# KiCad board PC110.kicad_pcb (continued)
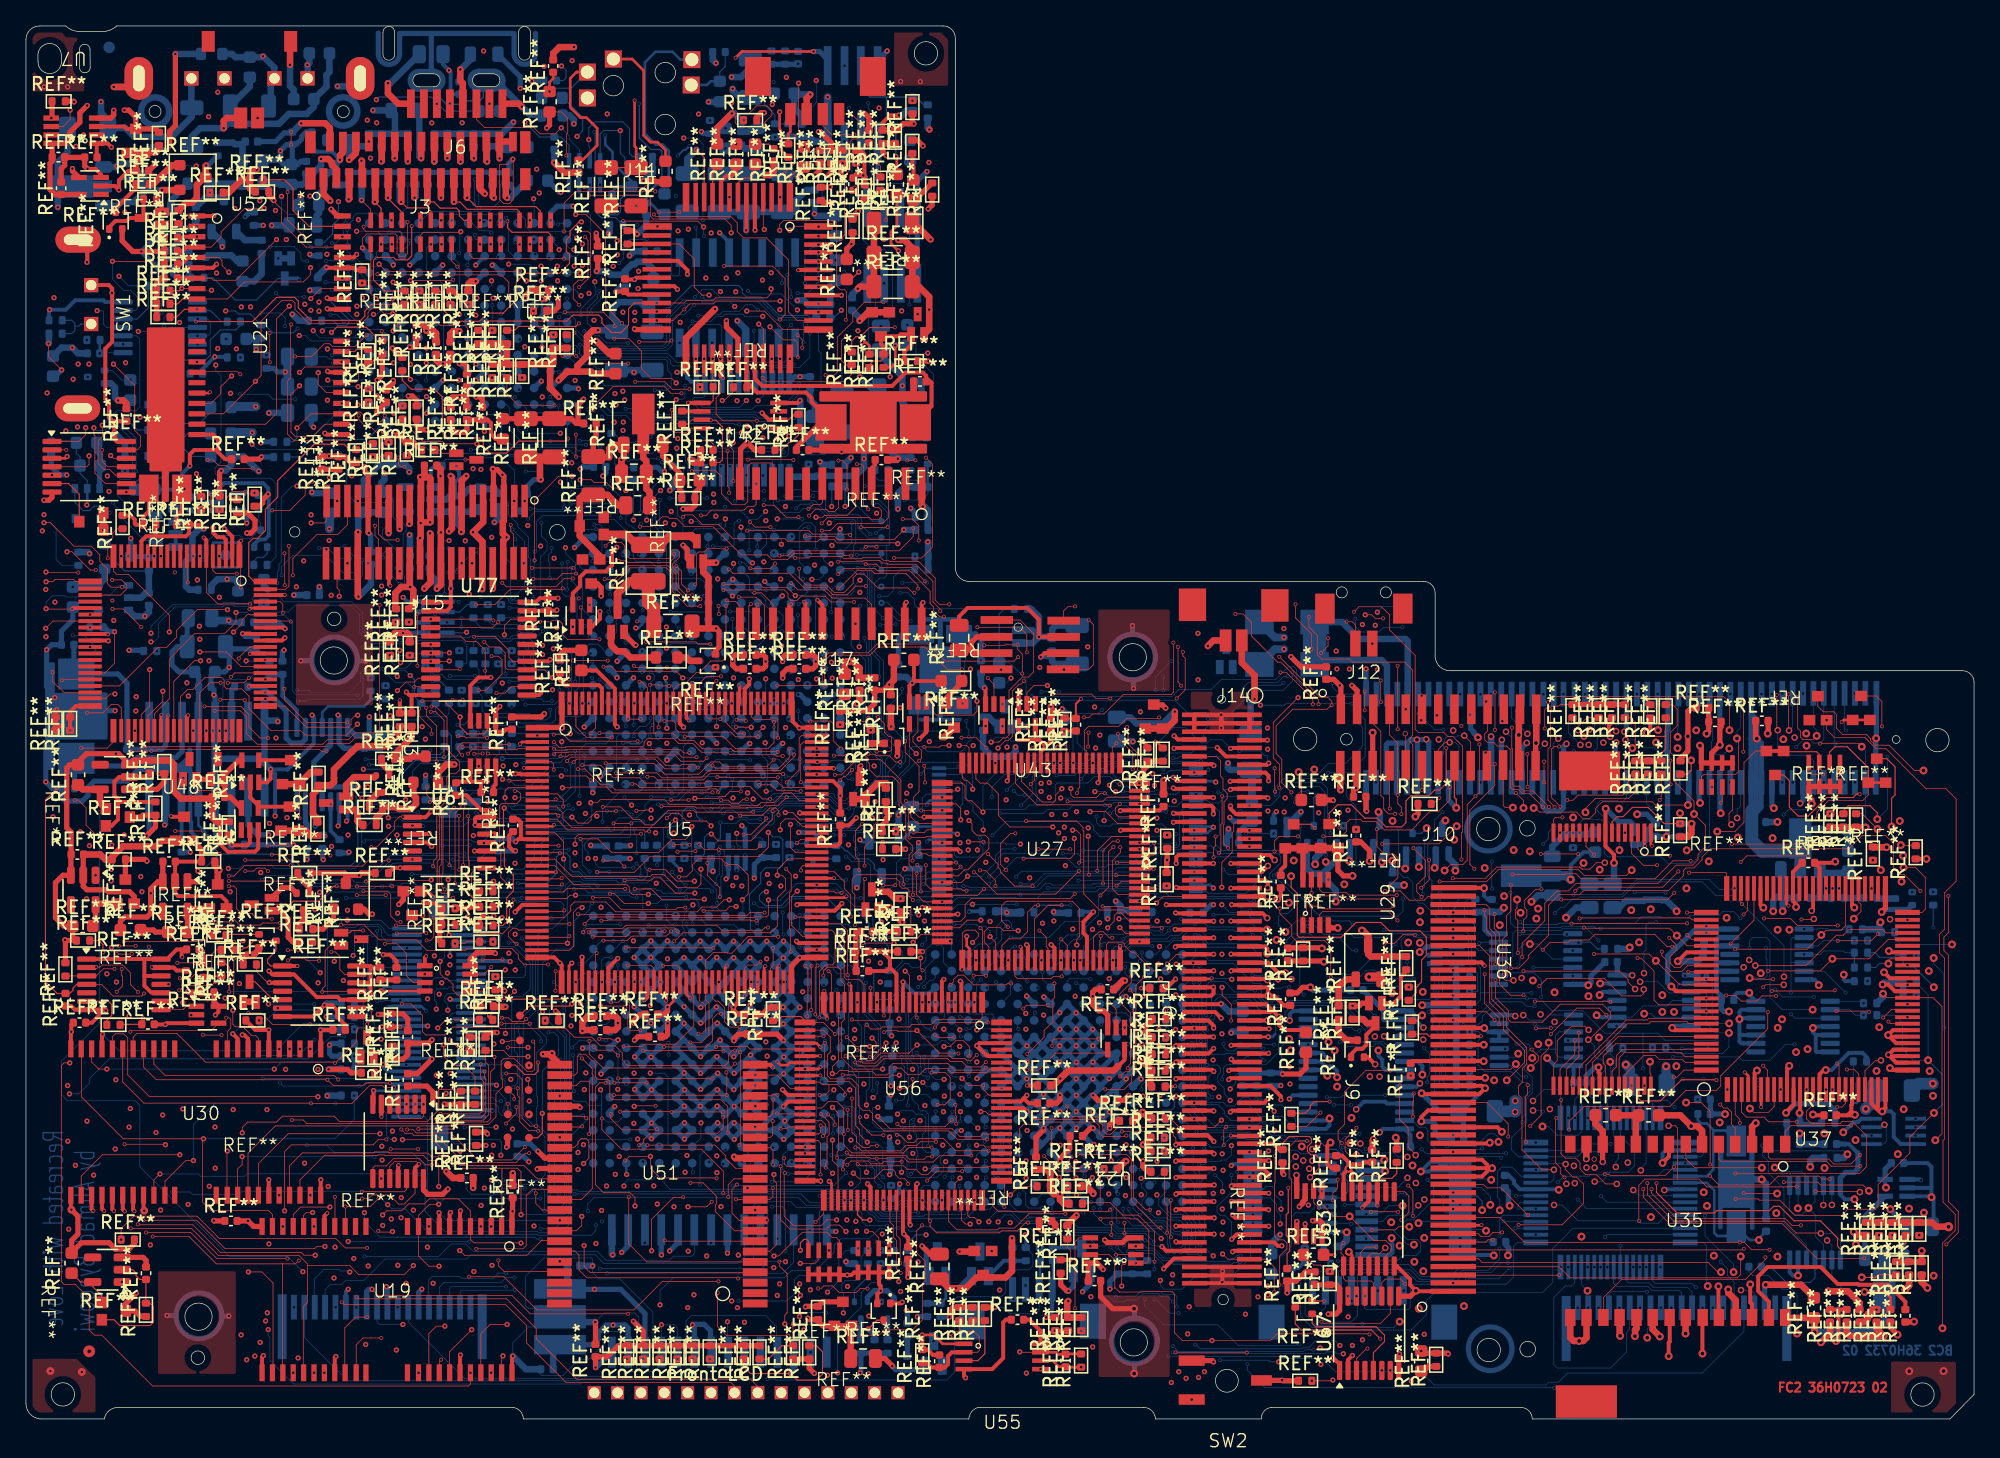
[diagram p0: board, top side]
## Routing (per net, layer and track width the routed paths; a pad name or vN(x,y) marks a point on that pad's centre or on a via; arc(x,y) is an arc through that point) (continued)
  IC2 w0.7: v3(148.09,14.81) 148.06,14.84 148.06,17.38 147.06,18.38 146.05,18.38 145.43,19 145.43,46.75 137.93,54.25 108.37,54.25 106.09,56.53 v1(102.13,56.53)
  IC2 w0.8: v1(28.78,68.59) 28.78,71.75 28.45,72.08 28.4,72.08 v1(27.61,72.87)
  IC2 w0.9: v1(92.06,31.99) v1(92.06,30.89) 93.31,30.89 94.27,29.93 94.27,24.57 95.13,23.71 v1(96.14,23.71)
  IC2 w1: v1(27.61,72.87) 27.61,74.12 v1(23.22,78.51)
  IC3 w0.05: v1(55.34,7.45) 55.34,7.01 54.77,6.44 33.83,6.44 33.59,6.68 28.59,6.68 28.55,6.72 28.51,6.72 28.25,6.98 24.17,6.98 17.74,13.41 v1(9.58,13.41) ; v1(1.53,63.92) 9.91,63.92 11.9,65.91 19.05,65.91 v1(20.83,64.13) ; v1(63.73,18.94) 63.19,19.48 55.82,19.48 55.81,19.49 54.96,18.64 48.98,18.64 48.31,19.31 44.9,19.31 44.28,18.69 38.64,18.69 37.89,19.44 36.33,19.44 36.3,19.47 36.25,19.47 35.87,19.85 v1(35.87,20.33) ; v3(128.26,50.75) 125.05,47.54 111.95,47.54 110.2,45.79 v3(110.2,45.68) ; v5(117.74,30.6) 102.63,30.6 101.18,32.05 95.98,32.05 95.71,31.78 94.14,31.78 93.47,32.45 91.62,32.45 88.61,29.44 85.23,29.44 83.94,28.15 72.79,28.15 72.69,28.05 71.52,28.05 71.34,28.23 64.6,28.23 63.98,28.85 63.2,28.85 62.18,29.87 v1(62.18,30.45) ; v1(61.21,18.33) 61.21,17.86 61.13,17.78 49.09,17.78 48.94,17.63 36.08,17.63 35.18,18.53 24.74,18.53 23.78,17.57 17.18,17.57 12.68,22.07 v1(10.02,22.07) ; v1(14.56,22.5) 16.17,22.5 16.38,22.71 31.68,22.71 32.83,21.56 36.41,21.56 v1(37.02,20.95) 37.71,21.64 47.04,21.64 v1(47.11,21.57) ; v1(50.39,84.51) 48.22,82.34 43.63,82.34 42.37,83.6 37.37,83.6 35.22,85.75 34.51,85.75 33.3,84.54 22.27,84.54 21.02,85.79 21.02,86.16 20.72,86.46 19.49,86.46 17.6,84.57 11.9,84.57 v1(11.83,84.5) ; 98.13,18.42 98.37,18.65 98.37,18.82 98.38,18.82 v5(98.84,19.28) ; 98.13,18.42 98.08,18.37 97.63,18.37 97.33,18.66 97.33,19.13 96.71,19.75 96.69,19.75 96.69,20.71 96.24,21.16 95.25,21.16 94.55,21.86 93.68,21.86 93.46,22.08 91.1,22.08 89.38,20.36 84.08,20.36 83.93,20.51 83.49,20.51 83.37,20.39 78.2,20.39 77.3,19.49 74.15,19.49 73.99,19.33 71.34,19.33 v1(70.84,19.83) ; 98.13,18.42 98.15,18.44 ; v1(82.02,9.42) 83.51,9.42 83.69,9.24 86.03,9.24 88.15,7.12 89.73,7.12 90.27,6.58 99.39,6.58 99.69,6.88 99.76,6.88 99.92,7.04 137.44,7.04 137.52,7.12 137.95,7.12 137.97,7.1 138.01,7.1 138.12,6.99 v3(147.62,6.99) ; v1(13.2,64.66) 13.17,64.63 13.17,62.91 12.64,62.38 12.64,60.12 13.16,59.6 17.38,59.6 19.31,61.53 20.93,61.53 22.2,60.26 25.1,60.26 25.54,59.82 29.57,59.82 29.84,59.55 34.28,59.55 36.7,57.13 v1(39.68,57.13) 40.11,56.7 40.11,56 40.36,55.75 65.41,55.75 65.59,55.57 67.01,55.57 67.22,55.36 71.92,55.36 72.62,54.66 75.43,54.66 76.22,55.45 80.07,55.45 82.18,53.34 84.07,53.34 84.31,53.1 91.26,53.1 91.82,52.54 93.85,52.54 96.9,55.59 v1(97.98,55.59) 98.45,55.59 100.55,53.49 102.43,53.49 106.46,49.46 110.99,49.46 113.26,51.73 113.26,52.56 113.33,52.63 113.33,53.22 113.76,53.65 118.25,53.65 119.28,52.62 119.28,51.76 119.68,51.36 120.48,51.36 120.81,51.69 120.81,52.64 121.81,53.64 123.12,53.64 125.66,51.1 127.67,51.1 127.92,51.35 128.65,51.35 129.62,50.38 129.62,45.05 128.84,44.27 128.84,43.35 126.18,40.69 126.18,39.34 125.32,38.48 122.12,38.48 120.24,36.6 v3(115.84,36.6) ; v1(78.38,31.12) 77.51,31.99 77.06,31.99 76.69,32.36 60.07,32.36 60,32.43 45.4,32.43 44.51,33.32 37.99,33.32 v1(37.63,32.96) ; v1(16.56,38.73) 17.97,40.14 27.45,40.14 27.65,40.34 28.73,40.34 29.22,39.85 29.22,39.8 29.28,39.74 29.28,38.57 30.05,37.8 36.23,37.8 39.83,34.2 61.58,34.2 62.96,32.82 76.2,32.82 76.61,33.23 80.7,33.23 80.82,33.11 v1(80.82,32.57) ; v3(137.3,16.25) 135.57,17.98 133.24,17.98 132.66,18.56 122.06,18.56 120.73,17.24 117.89,17.24 114.77,20.35 107.06,20.35 v5(107.04,20.33) ; v3(121.25,33.56) 120.86,33.95 117.02,33.95 116.15,33.08 114.02,33.08 112.84,34.26 104.47,34.26 103.93,34.8 103.04,34.8 102.82,34.58 102.43,34.58 102.41,34.56 98.9,34.56 98.54,34.92 98.49,34.92 98.03,35.38 89.62,35.38 88.85,34.61 71.24,34.61 69.39,36.46 69.39,37.34 66.83,39.9 66.29,39.9 63.94,37.55 46.08,37.55 45.87,37.76 38.65,37.76 38.38,38.03 30.19,38.03 29.71,38.51 29.71,39.72 25.23,44.2 24.37,44.2 24.06,43.89 24.02,43.89 23.83,43.7 19.39,43.7 18.67,42.98 18.02,42.98 15.73,40.69 v1(15.73,40.63) ; v3(117.29,29) 118.21,29 118.54,28.67 126.43,28.67 129.65,31.89 137.23,31.89 137.35,32.01 146.01,32.01 146.95,32.95 v3(146.95,33.27) ; v1(26.32,48.71) 36.44,48.71 36.51,48.64 v1(41.32,48.64) ; v1(18.71,13.49) 18.71,12.88 20.64,10.95 21.84,10.95 22.76,11.87 25.18,11.87 25.84,11.21 32.05,11.21 32.57,10.69 37.42,10.69 37.79,11.06 45.62,11.06 48.71,14.15 60.28,14.15 61.04,13.39 67.23,13.39 67.69,13.85 67.74,13.85 68.92,15.03 72.72,15.03 v1(72.73,15.02) ; v5(107.71,16.91) 107.41,17.21 107.41,17.24 107.29,17.36 97.38,17.36 96.94,16.92 95.12,16.92 93.47,18.57 90.72,18.57 89.96,17.81 86.74,17.81 86.69,17.76 85.38,17.76 85.32,17.82 75.69,17.82 74.85,16.98 54.61,16.98 53.99,16.36 v1(53.53,16.36) ; v3(106.03,16.43) 105.94,16.43 105.4,16.97 97.77,16.97 97.23,16.43 97.23,16.2 96.76,15.73 94.35,15.73 93.79,16.29 92.82,16.29 92.23,15.7 91.84,15.7 91.55,15.99 90.48,15.99 89.8,16.67 87.59,16.67 87.46,16.54 55.13,16.54 54.12,15.53 46.58,15.53 44.01,12.96 42.13,12.96 39.73,15.36 29.79,15.36 28.87,14.44 v1(28.23,14.44) ; v1(42.04,73.68) 42.05,73.69 45.12,73.69 45.29,73.52 49.34,73.52 50.11,74.29 50.11,74.79 v1(50.13,74.81) ; v5(120.43,53.13) 120.43,54.23 118.79,55.87 107.96,55.87 106.65,57.18 106.65,58.72 104.99,60.38 102.45,60.38 100.06,62.77 70.02,62.77 69.71,63.08 69.71,64.95 68.9,65.76 68.19,65.76 65,68.95 65,77.6 60.93,81.67 36.48,81.67 35.07,83.08 8.46,83.08 7.64,82.26 7.64,81.43 v1(7.67,81.4) ; v1(14.62,81.22) 14.58,81.18 14.58,75.33 16.24,73.67 21.52,73.67 21.42,73.67 24.55,70.54 24.55,68.69 26.13,67.11 33.28,67.11 v1(33.84,67.67) ; v1(56.99,69.23) 56.99,68.84 56.49,68.34 49.3,68.34 48.45,69.19 48.45,70.21 47.63,71.03 44.04,71.03 v1(42.69,72.38) ; v1(70.67,23.68) 71.25,24.26 71.25,24.32 92.2,24.32 92.39,24.13 92.44,24.13 92.45,24.14 93.39,24.14 94.57,22.96 96.6,22.96 97.19,22.37 103.19,22.37 103.54,22.72 105.15,22.72 105.36,22.51 107.8,22.51 108.58,23.28 125.63,23.28 127.34,24.99 132.72,24.99 133.6,25.87 143.68,25.87 144.47,26.66 144.47,27.52 147.78,30.83 147.78,34 144.47,37.31 v3(144.47,41.41) ; v1(54.77,78.47) 54.77,78.52 54.12,79.17 51.78,79.17 50.75,78.14 45.46,78.14 v1(45.45,78.15) 42.57,78.15 41.29,79.43 39.27,79.43 39.2,79.5 33.88,79.5 v1(33.33,80.05) ; v1(73.22,21.1) 72.72,21.6 68.84,21.6 68.56,21.32 67.77,21.32 67.57,21.52 67.57,21.63 66.91,22.29 38.87,22.29 37.93,23.23 13.59,23.23 13.56,23.26 13.43,23.26 13.27,23.42 v1(10.53,23.42) ; v1(60.53,64.7) 60.53,65.33 60.22,65.64 60.22,66.34 59.18,67.38 59.13,67.38 58.61,67.9 49.03,67.9 48.25,68.68 48.25,69.96 47.79,70.42 47.75,70.42 47.34,70.83 42.64,70.83 41.27,72.2 v1(41.17,72.2) ; v3(100.8,28.4) 103.44,28.4 104.02,27.82 107.07,27.82 107.99,26.9 115.12,26.9 115.45,26.57 116.81,26.57 118.51,28.27 v3(136.34,28.27) ; v1(58.45,7.33) 58.48,7.3 58.48,6.16 59.1,5.54 66.98,5.54 68.19,4.33 75.39,4.33 76.64,3.08 85.61,3.08 85.65,3.11 86.03,3.11 88.35,5.43 97.35,5.43 98.09,4.69 v1(100.64,4.69) ; v3(134.93,30.14) 133.82,31.25 131.71,31.25 131.41,30.95 130.89,30.95 128.42,28.48 116.18,28.48 115.76,28.9 114.04,28.9 113.32,28.18 107.73,28.18 106.85,29.07 103.35,29.07 103.33,29.08 102.88,29.08 100.28,31.68 96.26,31.68 95.97,31.39 91.75,31.39 88.61,28.25 87.29,28.25 86.15,27.11 73.14,27.11 73.12,27.13 72.95,27.13 72.43,27.65 69.78,27.65 69.77,27.66 69.72,27.66 69.54,27.84 64.17,27.84 63.54,28.47 56.43,28.47 56.34,28.56 44.47,28.56 44.21,28.82 44.21,28.83 43.65,29.39 42.42,29.39 41.98,29.83 v1(41.98,30.29) 41.49,30.78 28.91,30.78 27.88,29.75 26.94,29.75 26.12,30.57 12.96,30.57 12.49,31.04 v1(7.93,31.04) ; v1(39.79,59.61) 40.38,59.02 40.86,59.02 41.37,59.53 45.86,59.53 47.14,58.25 51.95,58.25 53.77,56.43 63.2,56.43 64.47,57.7 71.72,57.7 72.05,57.37 73.45,57.37 73.88,57.8 77.02,57.8 77.65,57.17 79.23,57.17 81.95,54.45 85.17,54.45 86.1,53.52 91.44,53.52 91.7,53.78 92.56,53.78 93.03,54.25 93.03,55.55 93.53,56.05 98.73,56.05 100.92,53.86 104.01,53.86 107.27,50.6 109.66,50.6 110.26,51.2 110.26,52.73 v5(109.93,53.06) ; v1(6.59,36.33) 7.84,35.08 17.29,35.08 v1(18.74,33.63) ; v5(107.24,16.46) 106.53,17.17 97.56,17.17 97.06,16.67 94.97,16.67 94.26,17.38 92.65,17.38 91.59,16.32 91.09,16.32 90.51,16.9 87.2,16.9 87.1,16.8 55.04,16.8 53.97,15.73 45.73,15.73 44.49,16.97 32.09,16.97 32.03,17.03 29.76,17.03 v1(28.14,15.41) ; v1(64.26,3.56) 64.26,4.13 64.1,4.29 44.73,4.29 44.38,4.64 38.56,4.64 37.73,5.47 29.12,5.47 28.97,5.32 28.54,5.32 v1(28.53,5.31) ; v5(99.53,21.23) 99.06,21.7 99.06,21.71 97,21.71 96.9,21.61 95.76,21.61 95.13,22.24 93.91,22.24 93.63,22.52 90.84,22.52 89.95,21.63 74.42,21.63 73.47,20.68 69.03,20.68 68.63,21.08 67.99,21.08 67.66,20.75 66.18,20.75 64.87,22.06 38.39,22.06 37.46,22.99 4.74,22.99 v1(4.7,22.95) ; v3(112.46,14.51) 112.81,14.86 145.61,14.86 146.19,15.44 v3(146.19,15.9) ; v1(54.17,40.01) 53.49,40.01 52.5,41 50.34,41 49.02,42.32 46.14,42.32 43.67,44.79 40.47,44.79 39.01,43.33 36.56,43.33 35.95,42.72 30,42.72 25.18,47.54 17.84,47.54 5.57,59.81 5.57,60.31 6.76,61.5 v1(6.76,61.54) ; v1(69.46,82.14) 63.19,82.14 60.16,85.17 60.16,100.09 60.13,100.09 58.28,101.94 54.07,101.94 53.23,101.1 53.23,99.21 53.22,99.21 52.49,98.48 51.68,98.48 51.24,98.04 22.24,98.04 19.92,100.36 v1(14.07,100.36) ; v1(57.4,88.33) 56.71,88.33 56.3,87.92 55.49,87.92 54.93,87.36 51.81,87.36 51.45,87.72 51.45,87.81 51.43,87.83 51.43,89.26 50.06,90.63 49.5,90.63 46.08,94.05 46.08,97.15 45.63,97.6 23.9,97.6 21.87,95.57 v1(21.87,94.24) ; v1(31.83,32.73) 31.83,32.68 32.54,31.97 32.79,31.97 32.8,31.98 32.84,31.98 32.93,32.07 36.71,32.07 36.59,32.07 37.02,32.5 38.52,32.5 39.03,33.01 44.19,33.01 45.91,31.29 64.18,31.29 64.19,31.3 67.45,31.3 67.7,31.05 67.7,29.65 v1(67.03,28.98) ; v1(98.08,16.36) 97.61,15.89 97.33,15.89 96.95,15.51 94.83,15.51 94.1,14.78 89.77,14.78 89.01,15.54 87.56,15.54 87.48,15.46 82.49,15.46 81.73,16.22 66.75,16.22 65.17,14.64 65.17,14.19 64.91,13.93 61.46,13.93 60.65,14.74 48.3,14.74 45.76,12.2 44.68,12.2 44.56,12.32 37.83,12.32 36.76,11.25 35.28,11.25 34.32,12.21 32.96,12.21 32.81,12.36 v1(25.25,12.36) ; v1(34.5,11.36) 34.6,11.36 34.89,11.07 37.02,11.07 37.38,11.43 45.28,11.43 48.39,14.54 60.55,14.54 61.34,13.75 65.16,13.75 65.36,13.95 65.36,14.5 66.88,16.02 79.96,16.02 81.01,14.97 87.34,14.97 87.69,15.32 88.87,15.32 90.78,13.41 94.93,13.41 96.18,14.66 96.97,14.66 97.15,14.84 97.16,14.84 97.16,15.27 97.54,15.65 97.54,15.67 98.28,15.67 98.29,15.68 98.33,15.68 98.78,16.13 v1(98.78,16.48) ; v3(107.56,26.53) 107.49,26.6 ; v1(8.79,77.2) 7.9,77.2 6.22,78.88 6.22,89.96 9.52,93.26 9.52,95.1 12.51,98.09 17.54,98.09 17.88,98.43 21.37,98.43 21.95,97.85 45.92,97.85 46.27,97.5 46.27,94.3 49.73,90.84 51.07,90.84 53.94,87.97 v1(53.94,87.92) ; v1(80.87,19.82) 81.7,19.82 82.04,19.48 88.87,19.48 91.23,21.84 93.4,21.84 94.8,20.44 94.8,19.87 95.17,19.5 95.99,19.5 95.99,19.49 96.36,19.12 96.36,18.71 96.38,18.71 96.64,18.45 97.22,18.45 97.52,18.15 99.69,18.15 100.39,18.86 103.32,18.86 103.35,18.89 103.77,18.89 104.42,19.54 105.98,19.54 105.99,19.55 106.08,19.55 106.6,19.03 106.75,19.03 107.13,18.65 108.2,18.65 109.32,19.77 114.66,19.77 117.35,17.08 122.28,17.08 123.35,18.15 131.78,18.15 132.11,17.82 135.19,17.82 135.64,17.37 135.64,16.34 136.3,15.68 144.51,15.68 v3(145.04,16.21) ; v1(58.51,53.28) 57.84,53.95 41.22,53.95 40.95,53.68 37.15,53.68 35.51,55.32 28.77,55.32 27.87,56.22 27.88,56.23 27.88,59.01 28.1,59.23 v1(28.78,59.23) ; v1(30.93,32.38) 31.68,33.13 32.1,33.13 32.26,32.97 36.04,32.97 36.63,33.56 61.79,33.56 62.76,32.59 76.31,32.59 76.83,33.11 79.62,33.11 80.59,32.14 89.12,32.14 90.69,33.71 92.29,33.71 92.5,33.5 94.38,33.5 94.51,33.37 97.01,33.37 97.73,32.65 101.6,32.65 102.36,33.41 112.2,33.41 113.35,32.26 119.35,32.26 119.95,31.66 123.23,31.66 124.25,30.64 127.93,30.64 129.37,32.08 136.03,32.08 136.68,32.73 136.68,34.05 137.6,34.97 142.34,34.97 142.88,35.51 145.58,35.51 v3(146.57,34.52) ; v1(42.34,92.82) 25.06,92.82 v1(24.07,93.81) ; v1(26.36,11.79) 26.78,11.37 32.33,11.37 32.82,10.88 37.15,10.88 37.51,11.24 45.46,11.24 48.54,14.32 60.41,14.32 61.16,13.57 65.95,13.57 68.01,15.63 72.96,15.63 v1(73.4,15.19)
  IC3 w0.5: v1(63.99,40.94) 64.02,40.91 64.02,39.37 63.27,38.62 40.95,38.62 39.3,40.27 33.81,40.27 v1(32.52,41.56) ; 107.49,26.6 105.79,26.6 104.85,25.66 102.35,25.66 101.68,26.33 v3(100.99,26.33) ; v1(62,64.64) 63.12,65.76 66.14,65.76 67.05,64.85 67.05,62.75 67.51,62.29 79.65,62.29 80.04,61.9 88.35,61.9 88.37,61.88 99.92,61.88 102.36,59.44 104.46,59.44 106.03,57.87 106.03,56.81 107.56,55.28 110.16,55.28 v5(112.85,52.59) ; 35.19,63.98 v1(35.15,63.94)
  IC3 w0.6: 34.89,67.87 v1(34.43,68.33) ; 35.15,66.65 34.89,66.91
  IC3 w0.7: v1(17.43,76.01) 18.75,76.01 19.61,75.15 28.47,75.15 29.52,74.1 v1(29.52,72.97) ; 34.89,66.91 34.89,67.87
  IC3 w0.8: v1(35.15,63.94) 35.15,66.65 ; v5(107.14,52.35) 107.14,53.47 105.99,54.62 101.52,54.62 99.31,56.83 96.47,56.83 95.05,58.25 89.41,58.25 86.53,55.37 84.15,55.37 81.78,57.74 v1(81.78,59.5) 80.47,60.81 80.5,60.81 79.24,60.81 78.78,61.27 59.16,61.27 58.19,62.24 52.08,62.24 49.54,64.78 36.76,64.78 v1(35.96,63.98) 35.19,63.98 ; v5(107.86,52.38) 108.8,52.38 v5(108.82,52.36)
  IC3 w1: v1(64.23,63.7) 60.31,63.7 59.46,64.55 59.46,64.82 57.1,67.18 52.76,67.18 52.03,66.45 47.84,66.45 46.05,68.24 44.03,68.24 41.86,70.41 28.55,70.41 26.44,68.3 26.44,68.27
  IC4 w0.05: v1(100.69,47.67) 100.74,47.72 105.51,47.72 106.25,48.46 106.25,52.8 v9(106.24,52.81) ; v1(58.76,75.76) 59.86,74.66 59.86,64.63 60.18,64.31 60.18,56.63 60.58,56.23 60.58,45.44 59.9,44.76 59.39,44.76 58.22,45.93 57.79,45.93 57.63,45.77 57.63,45.2 58.6,44.23 58.6,39.25 58.85,39 60.72,39 62.18,37.54 v1(62.18,30.45) ; v1(64.29,50.33) 64.29,51.17 63.96,51.5 62.82,51.5 62.29,50.97 62.29,42.52 63.09,41.72 64.12,41.72 65.1,40.74 65.1,39.54 65.18,39.46 65.18,37.23 65.78,36.63 66.23,36.63 66.77,36.09 66.77,32.61 65.61,31.45 65.61,27.5 65.45,27.34 65.45,25.52 65.63,25.34 65.63,24.67 65.15,24.19 65.15,23.16 65.4,22.91 65.81,22.91 66.86,23.96 67.35,23.96 68.01,23.3 68.01,22.87 67.41,22.27 65.04,22.27 63.85,21.08 63.16,21.08 62.75,21.49 v1(62.12,21.49) ; 8.35,39.38 10.95,36.78 10.95,33.28 11.52,32.71 11.52,23.13 11.28,22.89 11.28,16.13 15.03,12.38 15.03,5.6 16.65,3.98 42.77,3.98 43.51,4.72 44.49,4.72 ; 8.35,39.38 8.42,39.31 ; 8.35,39.38 8.35,43.43 8.82,43.9 11.09,43.9 11.93,43.06 12.95,43.06 13.29,43.4 13.29,44.58 13.29,44.54 13.29,45.7 12.89,46.1 12.89,54.51 13.18,54.8 13.18,56.8 ; v1(54.47,75.23) 54.52,75.19 54.52,69.19 54.44,69.11 54.44,68.36 54.5,68.3 v1(54.5,65.92) ; v1(28.63,38.98) 31.03,36.58 33.31,36.58 34.93,34.96 34.93,25.21 36.77,23.37 36.77,21.86 v1(36,21.09) ; v1(3.85,98.07) 3.85,97.26 4.25,96.86 4.25,94.39 8.13,90.51 8.13,85.84 9.11,84.86 9.11,78.54 10.26,77.39 10.26,74.88 9.2,73.82 9.2,67.37 10.32,66.25 10.32,65.87 10.32,65.89 10.32,62.47 13.19,59.6 13.89,59.6 14.47,59.02 14.47,58.09 13.18,56.8 ; v1(35.98,86.37) 35.98,84.91 36.71,84.18 39.99,84.18 40.84,83.33 40.84,80.86 40.39,80.41 40.39,71.04 39.23,69.88 39.23,68.48 38.35,67.6 38.35,52.4 38.71,52.04 38.71,38.44 37.68,37.41 v1(37.68,37.35) ; v1(9.58,13.41) 9.58,16.41 9.46,16.53 9.46,16.58 9.45,16.59 9.45,22.36 9.9,22.81 10.6,22.81 11.12,23.33 11.12,32.03 10.56,32.58 10.56,36.35 7.96,38.95 7.96,46.99 11.02,50.05 11.02,57.7 8.78,59.94 8.78,74.43 9.53,75.18 9.53,76.46 v1(8.79,77.2) ; v1(42.87,28.57) 44.44,28.57 44.87,29 44.87,59.24 44.95,59.32 44.95,66.41 44.82,66.54 44.82,68.76 45.33,69.27 v1(46.79,69.27) ; v1(37.67,42.82) 37.67,42.93 38.34,43.6 38.34,51.7 37.98,52.06 37.98,81.74 38.42,82.18 v1(38.42,82.63) ; v1(52.96,71.27) 53.68,71.99 53.68,77.3 54.24,77.86 54.24,78.97 55.41,80.14 55.41,84.75 55.06,85.1 55.06,86.02 53.94,87.14 v1(53.94,87.92) ; v1(45.45,78.15) 45.99,78.15 46.65,77.49 46.65,75.52 46.22,75.09 44.18,75.09 43.36,74.27 43.36,71.93 43.1,71.67 43.1,66.2 42.85,65.95 42.85,65.91 42.33,65.39 42.33,60.7 43.16,59.87 43.16,54.74 42.55,54.13 42.55,52.29 42.41,52.15 42.4,52.15 42.4,50.29 41.91,49.8 41.91,47.82 41.44,47.35 41.44,45.77 42.72,44.49 42.72,43.14 44.29,41.57 v1(44.29,39.43) ; v1(55.34,7.45) 55.24,7.55 55.24,38.95 v1(54.7,39.49) ; v1(63.2,50.76) 63.2,50.03 63.34,49.89 63.34,48.05 63.09,47.8 63.09,45.13 63.35,44.87 v1(63.35,44.25) ; v5(116.66,31.18) 116.66,30.65 117.78,29.53 117.78,27.24 115.48,24.94 115.48,20.16 113.17,17.85 112.39,17.85 107.18,12.64 106.76,12.64 106.19,12.07 106.19,6.8 102.03,2.64 ; v1(57.4,88.33) 58.42,88.33 60.35,86.4 60.35,67.1 61.55,65.9 61.55,56.22 61.22,55.89 61.22,41.75 60.69,41.22 59.28,41.22 58.81,40.75 58.81,39.47 59.09,39.19 60.82,39.19 62.81,37.2 62.81,24.7 v1(62.12,24.01) ; v1(53.21,20.27) 53.21,20.85 52.76,21.3 52.76,41.26 52.28,41.74 51.94,41.74 51.38,42.3 51.38,42.93 50.43,43.88 50.43,47.77 51.25,48.59 51.25,57.83 50.48,58.6 50.48,64.88 49.89,65.47 49.89,67.97 50.58,68.66 50.58,69.57 51.03,70.02 51.03,70.48 50.58,70.93 50.58,73.2 49.32,74.46 49.32,75.32 49.55,75.55 49.55,77.94 49.01,78.48 49.01,82.85 49.54,83.38 49.54,87.65 50.1,88.21 v1(50.95,88.21) ; 90.42,2.66 92.23,4.46 93.46,4.46 95.3,2.62 102.01,2.62 102.03,2.64 ; 90.42,2.66 90.19,2.42 68.28,2.42 67.79,2.91 62.66,2.91 62.49,2.74 50.3,2.74 48.32,4.72 44.49,4.72 ; 90.42,2.66 90.4,2.63 ; v1(61.83,95.85) 61.83,96.41 62.19,96.77 64.67,96.77 65.23,96.21 65.23,73.64 64.88,73.29 64.88,64.7 ; v1(63.54,74.08) 63.54,72.72 63.11,72.29 62.43,72.29 62.06,71.92 v1(62.06,70.31) ; v1(16.56,38.73) 16.56,42.29 15.82,43.04 15.82,54.41 16.24,54.84 16.24,58.91 17.39,60.06 17.39,68.43 17.43,68.47 v1(17.43,75.11) ; v1(16.96,58.42) 16.96,54.93 16.22,54.19 16.22,43.46 17.17,42.51 17.17,37.29 v1(16.73,36.85) ; 13.18,56.8 13.18,56.56 ; v3(103.73,52.89) 103.73,51.17 102.65,50.09 100.1,50.09 97.78,47.77 97.78,46.17 97.01,45.4 97.01,41.06 101.2,36.87 105.04,36.87 106.45,38.28 v3(107.37,38.28) ; v1(59.28,41.83) 59.79,41.83 60.75,42.79 60.75,56.44 60.38,56.81 60.38,59.21 60.55,59.38 60.55,64.68 v1(60.53,64.7) ; v1(43.01,25.38) 42.5,25.38 41.98,24.86 41.98,20.38 42.2,20.16 43.31,20.16 46.85,23.7 v1(46.85,24.09) ; 102.03,2.64 102,2.61 ; v1(62.08,93.75) 60.55,93.75 58.67,95.63 58.67,96.25 59.88,97.46 65.15,97.46 66.68,95.93 66.68,94.27 68.8,92.15 68.8,81.06 69.71,80.15 69.7,80.14 69.7,69.29 68.82,68.41 68.82,67.12 69.72,66.22 69.72,62.41 72.75,59.38 v1(72.75,57.79) ; v5(109.93,53.06) 110.47,53.06 110.68,53.27 112.02,53.27 112.37,52.92 112.37,50.7 111.26,49.59 109.5,49.59 106.53,46.62 106.53,44.23 107.82,42.94 113.91,42.94 116.9,39.95 116.9,38.38 116.79,38.27 116.79,36.75 114.1,34.06 114.1,30.56 114.94,29.72 v3(114.94,28.15) ; v5(123.2,52.33) 123.23,52.3 123.23,42.94 120.55,40.26 120.55,37.51 119.23,36.19 v5(119.23,19.51) ; v1(54.8,8.58) 53.65,8.58 52.81,9.42 52.81,17.96 51.93,18.84 51.93,22.76 v1(51.99,22.82) 52.49,23.32 52.49,37.3 50.74,39.05 50.74,40.2 51.03,40.49 51.03,42.75 49.42,44.36 49.42,47.15 51.06,48.79 51.06,57.74 50.3,58.5 50.3,64.75 49.65,65.4 49.65,68.03 50.33,68.71 50.33,69.42 50.13,69.62 50.13,70.27 49.95,70.45 49.49,70.45 48.88,71.06 v1(48.88,71.55) ; v1(64.9,35.28) 64.58,35.6 64.58,39.16 61.74,42 61.74,54.54 62.72,55.52 62.72,67.5 63.57,68.35 63.57,69.85 v1(63.1,70.32) ; v5(107.04,20.33) 107.04,20.94 105.29,22.69 103.87,22.69 103.15,21.97 103.15,21.06 102.87,20.78 102.01,20.78 100.93,19.7 100.93,8.78 v1(101.84,7.87) ; v1(42.3,80.03) 42.3,80.95 41.94,81.31 41.94,87.25 42.39,87.7 42.85,87.7 43.15,88 43.15,88.71 43.3,88.86 43.3,91.94 43.32,91.96 43.32,92.53 42.78,93.07 42.78,96.53 40.65,98.66 40.65,100.01 40.41,100.25 40.41,104.56 40.22,104.75 39.59,104.75 39.39,104.55 39.39,98.07 40.09,97.37 40.09,87.56 39.62,87.09 31.59,87.09 30.07,85.57 30.07,81.41 31.47,80.01 31.47,78.74 32.73,77.48 32.73,74.36 33.33,73.76 33.33,72.29 35,70.62 35,68.06 34.58,67.64 34.58,61.35 35.12,60.81 35.12,54.8 36.09,53.83 36.09,49.01 36.29,48.81 36.29,41.99 36.41,41.87 36.41,39.7 37.04,39.07 37.04,37.93 36.83,37.72 36.83,37.11 37.32,36.62 37.88,36.62 38.6,35.9 38.6,31.73 39.58,30.75 41.01,30.75 41.33,31.07 41.33,32.45 41.56,32.68 42.68,32.68 43.13,32.23 43.13,31.41 42.35,30.63 42.35,29.31 42.14,29.1 42.14,28.14 42.7,27.58 43.94,27.58 v1(44.27,27.91) ; v1(21.97,69.05) 21.97,66.37 21.89,66.29 21.89,65.68 21.22,65.01 21.22,63.47 20.71,62.96 20.71,56.97 21.58,56.1 21.58,44.23 20.53,43.18 20.53,8.56 23.78,5.31 v1(28.53,5.31) ; v3(134.93,30.14) 134.17,29.38 134.17,11.63 136.42,9.38 v3(136.42,6.58) ; v1(10.53,23.42) 10.53,23.81 10.21,24.13 10.21,36.14 6.98,39.37 6.98,46.81 10.13,49.96 10.13,54.63 8.55,56.21 8.55,71.69 8.3,71.94 8.3,81.74 7.72,82.32 7.72,89.21 6.44,90.49 6.44,91.81 3.99,94.26 3.99,96.72 3.98,96.72 3.33,97.37 3.33,100.79 v1(3.4,100.86) ; v1(21.46,19.71) 21.46,20.6 21.63,20.77 21.63,21.5 21.61,21.52 21.61,43.09 v1(21.63,43.11) ; v1(88.26,10.43) 88.26,9.77 86.38,7.89 84.34,7.89 83.29,6.84 76.22,6.84 74.36,4.98 51.94,4.98 48.15,8.77 48.15,12.92 v1(48.19,12.96) ; v1(49.18,73.01) 47.8,71.63 47.8,69.28 v1(47.81,69.27) ; v1(21.87,94.24) 21.87,93.27 22.28,92.86 22.64,92.86 22.65,92.86 24.64,92.86 24.71,92.93 26.08,92.93 26.41,92.6 26.41,86.18 26.17,85.94 26.17,84.07 24.83,82.73 24.83,80.56 24.03,79.76 24.03,75.14 25.52,73.65 25.52,70.94 24.03,69.45 24.03,64.99 22.1,63.06 22.1,61.1 22.87,60.33 24.17,60.33 25.52,58.98 25.52,57.94 27.33,56.13 v1(28.61,56.13) ; v1(47.96,57.12) 47.31,56.47 47.31,42.56 46.75,42 46.75,37.09 46.79,37.05 v1(46.79,36.84) ; 64.88,64.7 64.88,51.08 65.33,50.63 v1(65.33,50.32) ; 64.88,64.7 64.88,64.68 ; v1(12.66,43.68) 11.96,44.38 11.96,52.74 12.51,53.29 v1(12.51,55.71) ; v1(40.79,31.43) 40.69,31.53 40.69,33.24 40.53,33.4 40.53,34.03 40.46,34.1 40.46,35.7 40.51,35.75 40.51,56.11 40.52,56.12 40.52,56.15 v1(40.56,56.19) ; v3(102.01,21.25) 101.43,21.83 101.43,32.26 99.25,34.44 99.25,38.49 96.85,40.89 96.85,45.68 97.58,46.41 97.58,48.4 v3(99.23,50.05) ; 44.49,4.72 44.53,4.72 ; v1(78.68,56.52) 79.2,57.04 79.2,58.66 78.66,59.2 77.66,59.2 77.11,58.65 77.11,55.34 76.25,54.48 76.25,52.59 76.67,52.17 76.67,51.45 76.43,51.21 76.43,45.59 77.05,44.97 77.05,42.45 74.98,40.38 71.9,40.38 71.31,39.79 71.31,29.82 71.62,29.51 71.95,29.51 72.31,29.15 72.31,26.95 72.58,26.68 72.58,22.78 72.7,22.66 72.7,20.85 73.02,20.53 73.49,20.53 73.6,20.42 73.6,18.21 73.5,18.11 69.42,18.11 68.89,18.64 67.99,18.64 67.93,18.58 66.9,18.58 66.44,18.12 v1(64.82,18.12) ; v1(5.48,85.41) 6.39,85.41 7.17,84.64 7.17,79.01 7.47,78.71 7.47,78.36 7.19,78.09 7.19,74.04 6.34,73.19 6.02,73.19 5.82,72.99 5.82,72.64 5.47,72.29 5.47,65.29 3.54,63.36 3.54,38.54 4.22,37.86 4.22,27.14 7.43,23.92 v1(8.04,23.92) ; v1(48.09,26.65) 47.67,27.07 47.67,31.34 47.63,31.38 47.63,39.36 47.45,39.54 47.45,41.32 47.96,41.83 47.96,45.49 48.63,46.16 48.63,51.72 48.76,51.85 48.76,69.33 48.95,69.52 49.8,69.52 49.91,69.41 v1(49.91,68.92)
  IC4 w0.5: v1(32.52,41.56) 32.52,42.4 33.38,43.26 33.38,49.85 34.21,50.68 34.21,59.32 33.56,59.97 28.64,59.97 28.62,59.99 28.06,59.99 26.6,61.45 26.6,67.08 27.14,67.62 27.14,68.93 27.92,69.71 28.8,69.71 v1(29.53,68.98) 29.52,68.99 v1(29.52,72.97) ; v3(102.9,37.64) 102.9,39.01 101.37,40.54 99.86,40.54 98.35,42.05 98.35,44.1 98.88,44.63 98.88,47.91 100.52,49.55 101.54,49.55 102.43,48.66 v1(102.43,48.62) ; 7.98,67.95 v1(8.07,67.86)
  IC4 w0.6: 114.8,51.84 114.8,52.52 v5(114.99,52.71) ; 106.21,27.88 v3(107.56,26.53) ; v3(107.02,46.42) 107.96,46.42
  IC4 w0.7: v1(102.13,56.53) 105,53.66 105,51.19 v1(102.43,48.62) ; v1(17.7,78.02) 17.71,78.02 18.47,78.78 18.47,85.7 17.87,86.3 17.87,89.77 17.31,90.33 v1(15.12,90.33) ; v1(85.84,54.49) 85.84,55.73 86.41,56.3 89.62,56.3 v1(90.28,56.96) 90.28,60.53 v1(90.27,60.54) ; v1(6.4,71.48) 7.42,71.48 7.98,70.92 7.98,59.28 v1(7.94,59.24)
  IC4 w0.8: 114.8,51.84 114.8,51.07 112.71,48.98 110.52,48.98 107.96,46.42
  IC4 w1: v3(107.4,39.16) 107.83,39.16 108.4,38.59 108.4,35.68 106.21,33.49 106.21,27.88